# Altium PCB PCB-FPGA.PcbDoc (part 1 of 2)
Units mil, origin at the board's own origin, x right, y up, seen from the top; angles counter-clockwise.
Board outline 6000 x 4000 mil, 2 copper layers (Top Layer, Bottom Layer); 361 components, 243 nets, 5231 pads, 5 vias.
Unrouted connection lines stored in the file: 561.
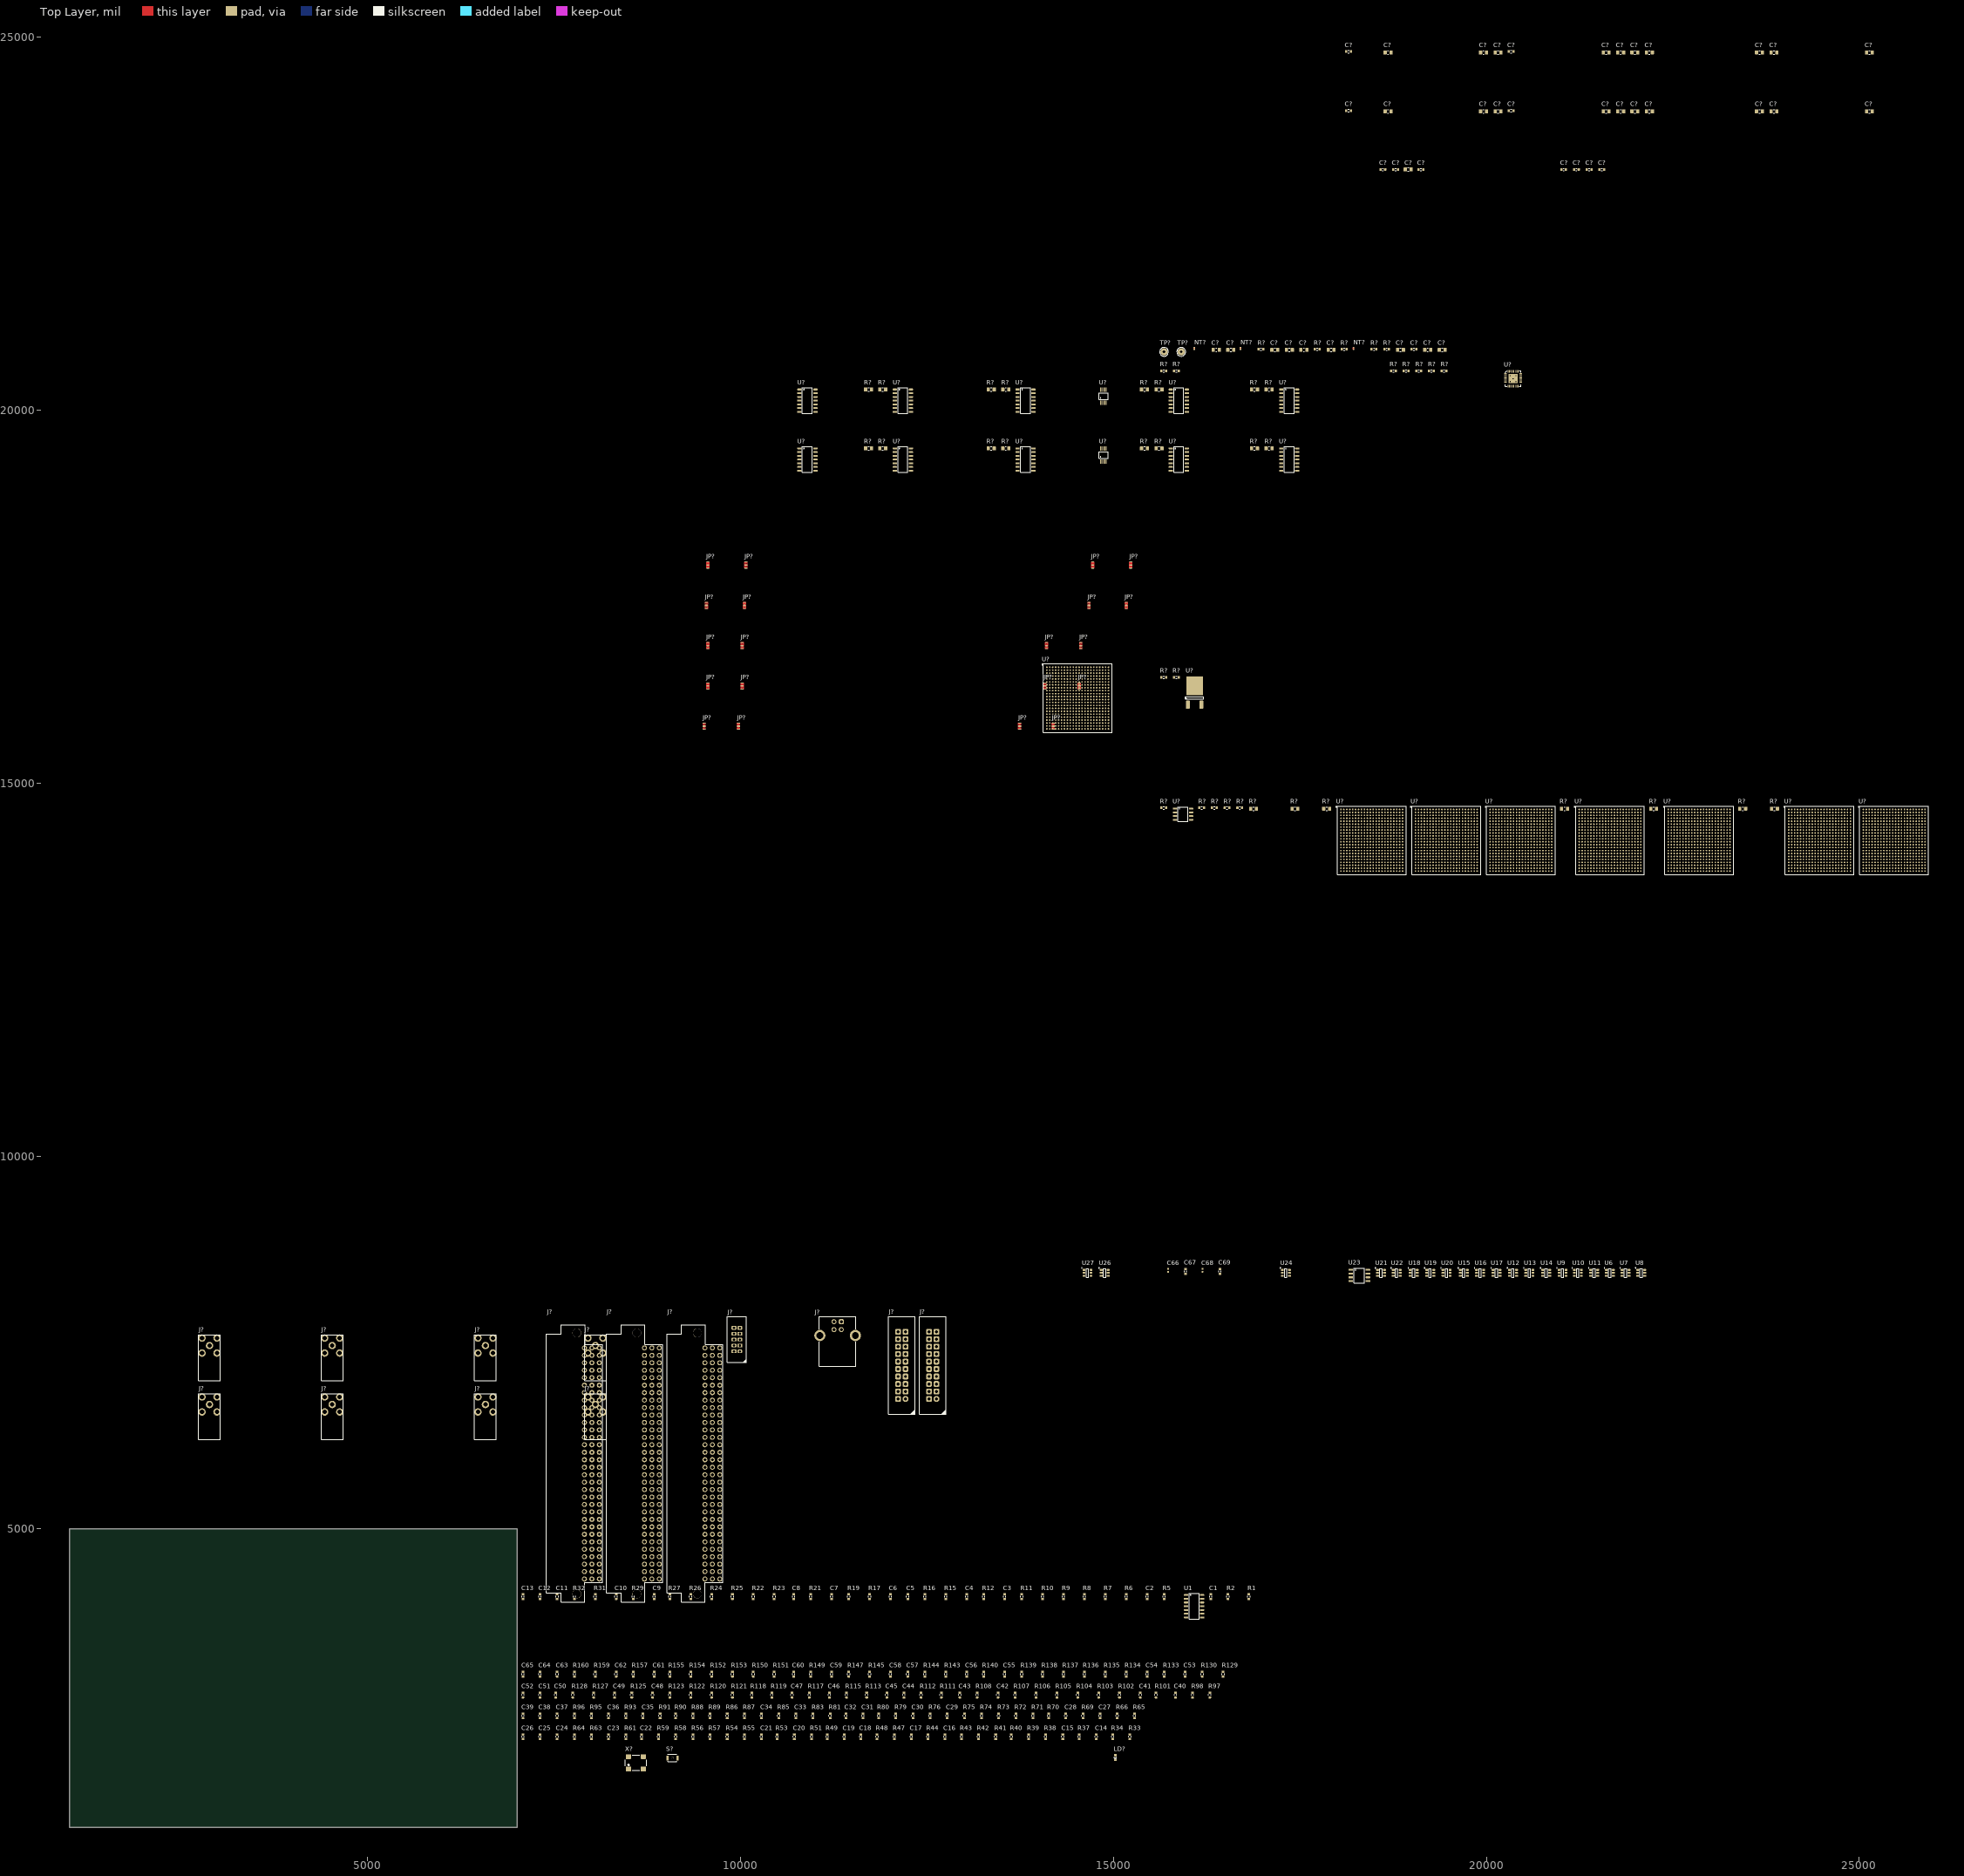
[diagram p0: Top Layer view]
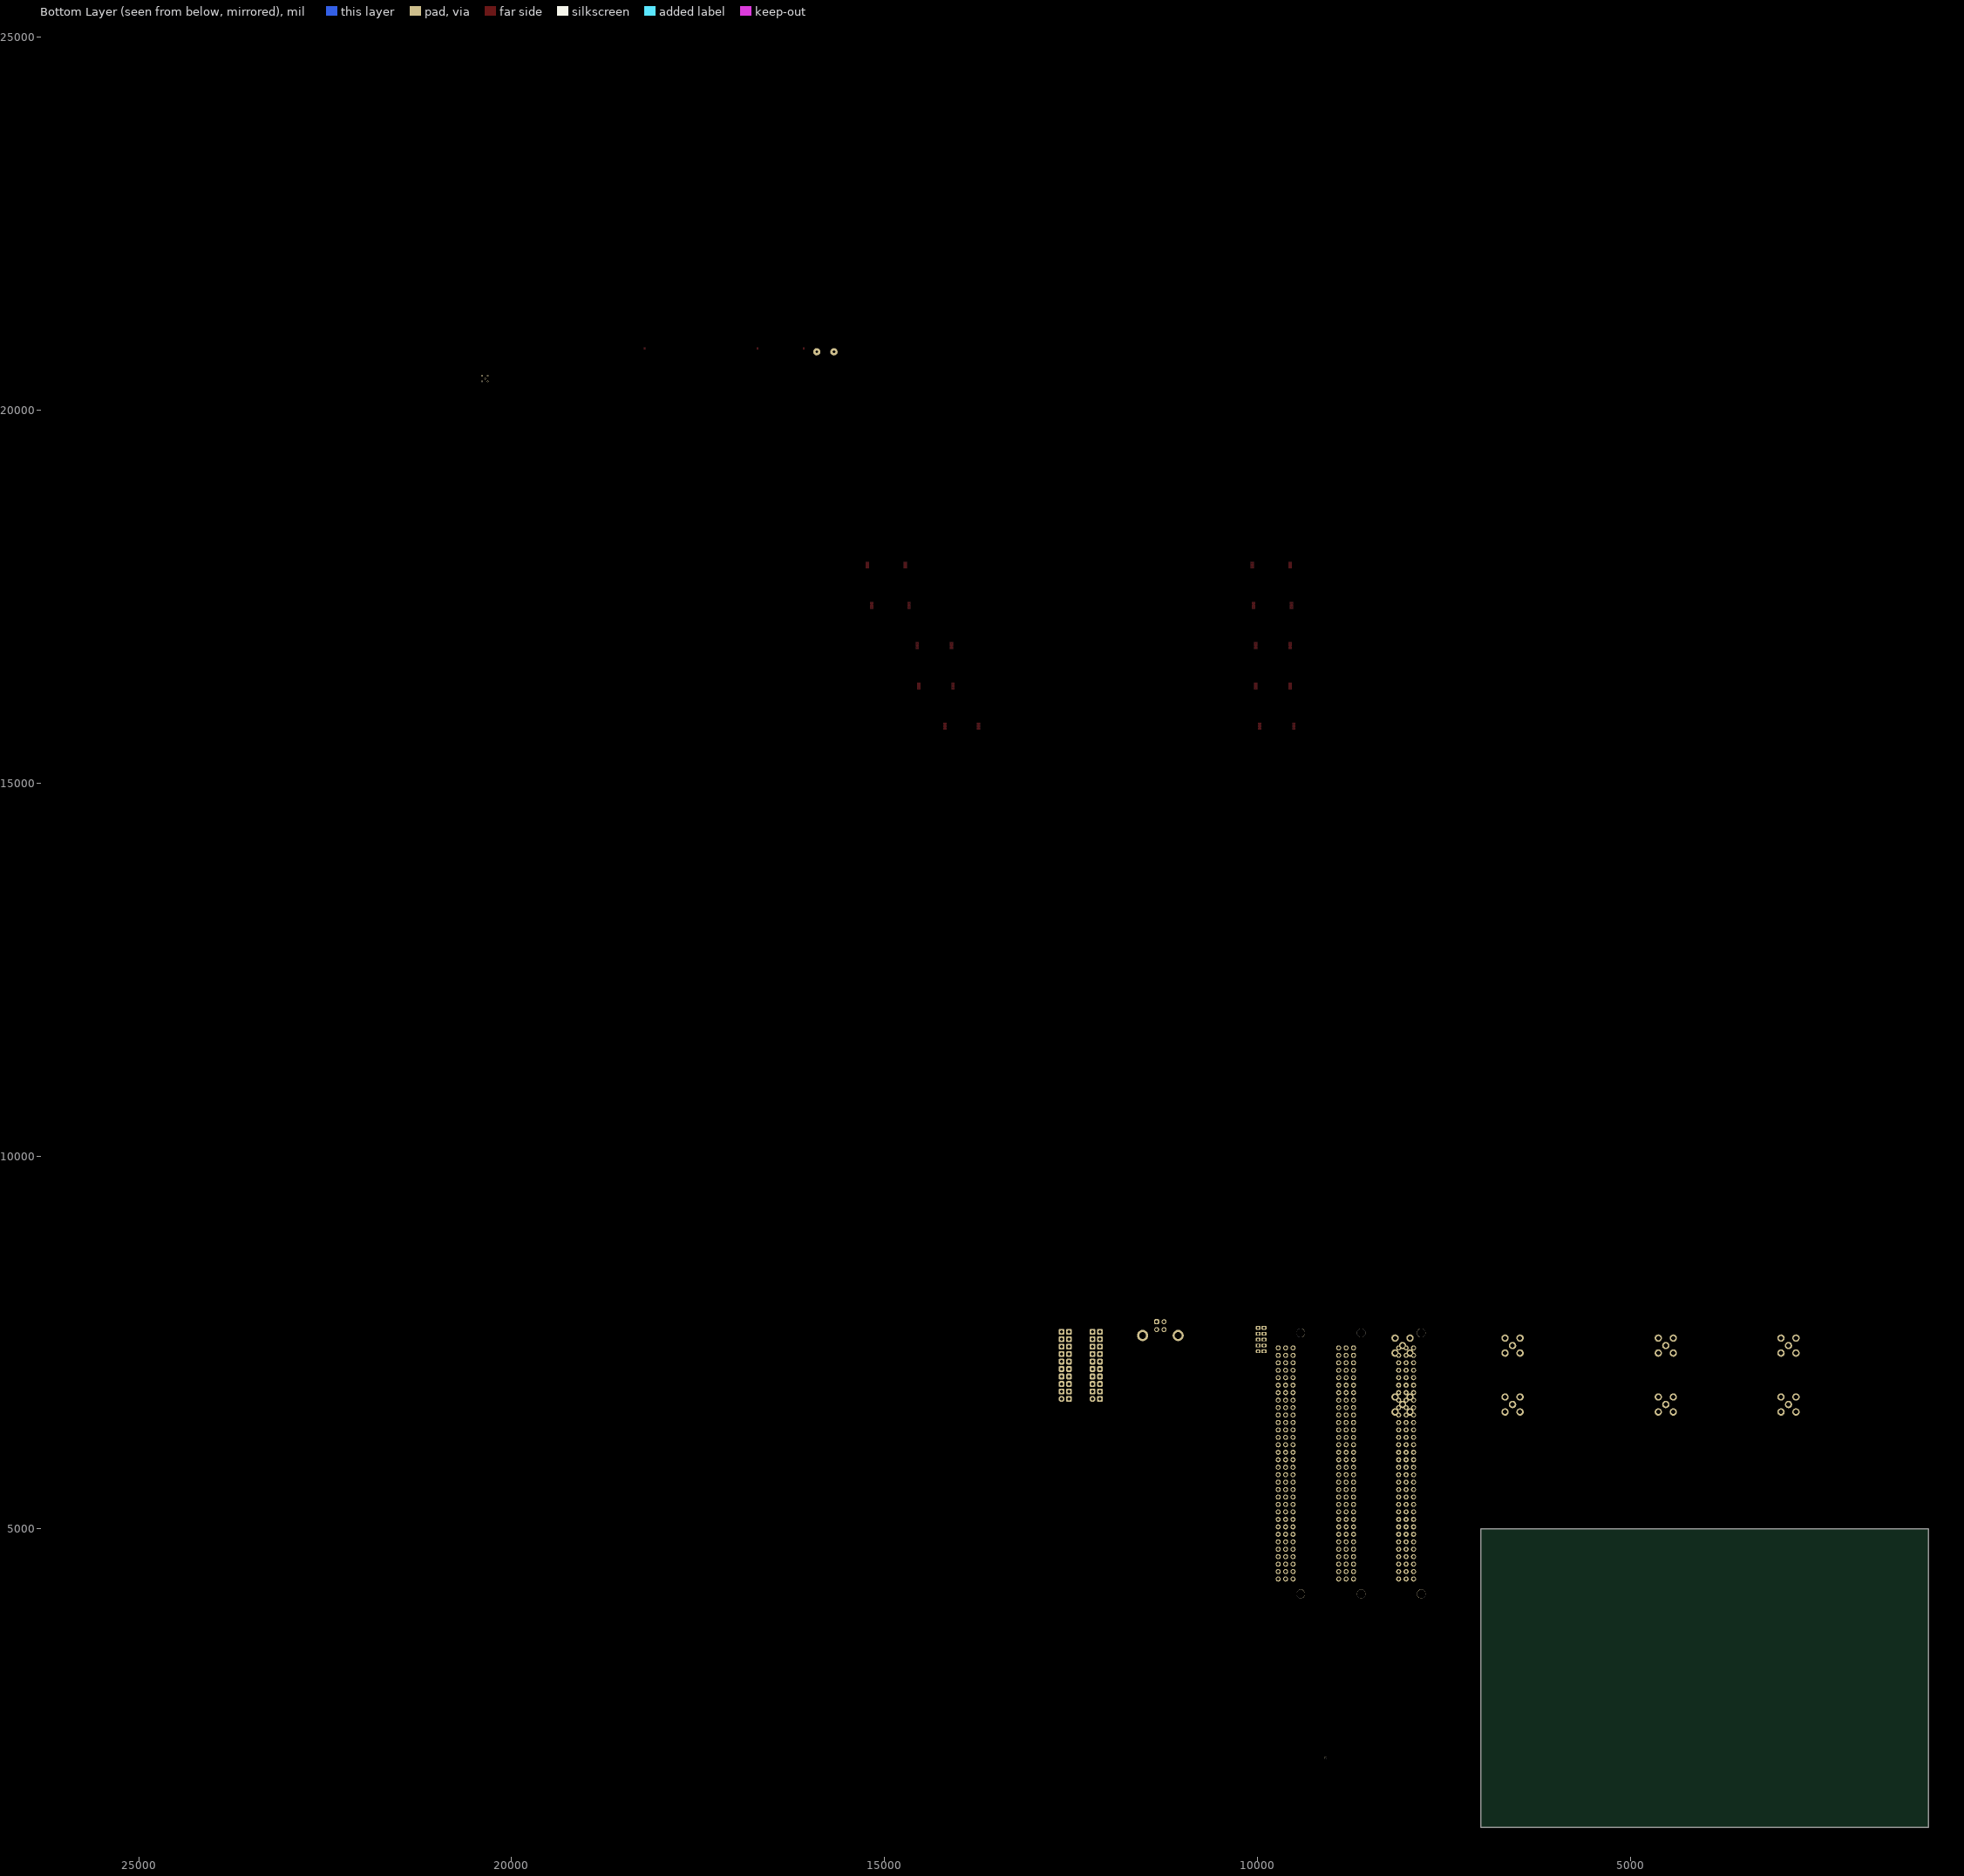
[diagram p1: Bottom Layer view, seen from below]

## Layer stack, top to bottom
Top Solder: solder mask 0.4, Solder Resist, Dk 3.5
Top Layer: signal copper 1.4
Dielectric 1: dielectric 12.6, FR-4, Dk 4.8
Bottom Layer: signal copper 1.4
Bottom Solder: solder mask 0.4, Solder Resist, Dk 3.5

## Board outline
1000,1000 7000,1000 7000,5000 1000,5000

## Design rules (kind name [scope] priority, off if disabled: settings)
Clearance [All] p1: gap=10 ignorepadtopadclearanceinfootprint=FALSE except(0: Arc-Hole Track-Hole SMDPad-Hole THPad-Hole Via-Hole Fill-Hole Poly-Hole Region-Hole Text-Hole)
PolygonConnect [All] p1: connectstyle=Relief reliefconductorwidth=10 reliefentries=4 polygonreliefangle="90 Angle" airgapwidth=10
RoomDefinition FPGA-Connector [InComponentClass('FPGA-Connector')] p1: confinementstyle=ConfineIn formatcopy=TRUE lockcomponents=FALSE outline 7045,1060 17375,1060 17375,8250 7045,8250
RoomDefinition FPGA-8 [InComponentClass('FPGA-8')] p2: confinementstyle=ConfineIn formatcopy=TRUE lockcomponents=FALSE outline 7045,1060 17375,1060 17375,8250 7045,8250
RoomDefinition FPGA-5 [InComponentClass('FPGA-5')] p3: confinementstyle=ConfineIn formatcopy=TRUE lockcomponents=FALSE outline 7045,3770 17025,3770 17025,4260 7045,4260
RoomDefinition FPGA-4 [InComponentClass('FPGA-4')] p4: confinementstyle=ConfineIn formatcopy=TRUE lockcomponents=FALSE outline 7045,3230 16795,3230 16795,3720 7045,3720
RoomDefinition FPGA-3 [InComponentClass('FPGA-3')] p5: confinementstyle=ConfineIn formatcopy=TRUE lockcomponents=FALSE outline 7045,2690 15785,2690 15785,3180 7045,3180
RoomDefinition FPGA-2 [InComponentClass('FPGA-2')] p6: confinementstyle=ConfineIn formatcopy=TRUE lockcomponents=FALSE outline 7045,2150 15725,2150 15725,2640 7045,2640
RoutingVias [All] p1: holewidth=28 width=50 viastyle="Through Hole" minholewidth=28 minwidth=50 maxholewidth=28 maxwidth=50
SolderMaskExpansion [All] p1: expansion=4
Width [All] p1: maxlimit=10 minlimit=10 preferedwidth=10
30 further rules are at their usual default settings.

## Classes and differential pairs
component class FPGA-1: JP?
component class FPGA-2: JP?
component class FPGA-3: JP?
component class FPGA-4: JP?
component class FPGA-5: JP?
component class FPGA-6: C66 C67 C68 C69 C? R? U6 U7 U8 U9 U10 U11 U12 U13 U14 U15 U16 U17 U18 U19 U20 U21 U22 U23 U24 U26 U27 U?
component class FPGA-7: C? J? R? U?
component class FPGA-8: C? J? R? U?
component class FPGA: LD? R? S? U? X?
component class FPGA-Connector: J? R? U?
component class FPGA-Supply: C? NT? R? TP? U?

## Components (designator, comment, footprint, x,y, rotation, side; value= is the part's Value field where it differs from the comment)
C1 "47p" "CAPACITOR 1608 REFLOW" 16305,4095 r90 top
C2 "47p" "CAPACITOR 1608 REFLOW" 15450,4095 r90 top
C3 "2n2" "CAPACITOR 1608 REFLOW" 13540,4095 r90 top
C4 "2n2" "CAPACITOR 1608 REFLOW" 13030,4095 r90 top
C5 "47p" "CAPACITOR 1608 REFLOW" 12240,4095 r90 top
C6 "47p" "CAPACITOR 1608 REFLOW" 12010,4095 r90 top
C7 "47p" "CAPACITOR 1608 REFLOW" 11220,4095 r90 top
C8 "47p" "CAPACITOR 1608 REFLOW" 10710,4095 r90 top
C9 "2n2" "CAPACITOR 1608 REFLOW" 8840,4095 r90 top
C10 "2n2" "CAPACITOR 1608 REFLOW" 8330,4095 r90 top
C11 "47p" "CAPACITOR 1608 REFLOW" 7540,4095 r90 top
C12 "47p" "CAPACITOR 1608 REFLOW" 7310,4095 r90 top
C13 "100n" "CAPACITOR 1608 REFLOW" 7080,4095 r90 top
C14 "47p" "CAPACITOR 1608 REFLOW" 14770,2215 r90 top
C15 "47p" "CAPACITOR 1608 REFLOW" 14320,2215 r90 top
C16 "2n2" "CAPACITOR 1608 REFLOW" 12740,2215 r90 top
C17 "2n2" "CAPACITOR 1608 REFLOW" 12290,2215 r90 top
C18 "47p" "CAPACITOR 1608 REFLOW" 11610,2215 r90 top
C19 "47p" "CAPACITOR 1608 REFLOW" 11390,2215 r90 top
C20 "47p" "CAPACITOR 1608 REFLOW" 10720,2215 r90 top
C21 "47p" "CAPACITOR 1608 REFLOW" 10280,2215 r90 top
C22 "2n2" "CAPACITOR 1608 REFLOW" 8670,2215 r90 top
C23 "2n2" "CAPACITOR 1608 REFLOW" 8230,2215 r90 top
C24 "47p" "CAPACITOR 1608 REFLOW" 7540,2215 r90 top
C25 "47p" "CAPACITOR 1608 REFLOW" 7310,2215 r90 top
C26 "100n" "CAPACITOR 1608 REFLOW" 7080,2215 r90 top
C27 "47p" "CAPACITOR 1608 REFLOW" 14820,2495 r90 top
C28 "47p" "CAPACITOR 1608 REFLOW" 14360,2495 r90 top
C29 "2n2" "CAPACITOR 1608 REFLOW" 12770,2495 r90 top
C30 "2n2" "CAPACITOR 1608 REFLOW" 12310,2495 r90 top
C31 "47p" "CAPACITOR 1608 REFLOW" 11640,2495 r90 top
C32 "47p" "CAPACITOR 1608 REFLOW" 11410,2495 r90 top
C33 "47p" "CAPACITOR 1608 REFLOW" 10740,2495 r90 top
C34 "47p" "CAPACITOR 1608 REFLOW" 10280,2495 r90 top
C35 "2n2" "CAPACITOR 1608 REFLOW" 8690,2495 r90 top
C36 "2n2" "CAPACITOR 1608 REFLOW" 8230,2495 r90 top
C37 "47p" "CAPACITOR 1608 REFLOW" 7540,2495 r90 top
C38 "47p" "CAPACITOR 1608 REFLOW" 7310,2495 r90 top
C39 "100n" "CAPACITOR 1608 REFLOW" 7080,2495 r90 top
C40 "47p" "CAPACITOR 1608 REFLOW" 15830,2775 r90 top
C41 "47p" "CAPACITOR 1608 REFLOW" 15360,2775 r90 top
C42 "2n2" "CAPACITOR 1608 REFLOW" 13450,2775 r90 top
C43 "2n2" "CAPACITOR 1608 REFLOW" 12940,2775 r90 top
C44 "47p" "CAPACITOR 1608 REFLOW" 12190,2775 r90 top
C45 "47p" "CAPACITOR 1608 REFLOW" 11960,2775 r90 top
C46 "47p" "CAPACITOR 1608 REFLOW" 11190,2775 r90 top
C47 "47p" "CAPACITOR 1608 REFLOW" 10690,2775 r90 top
C48 "2n2" "CAPACITOR 1608 REFLOW" 8820,2775 r90 top
C49 "2n2" "CAPACITOR 1608 REFLOW" 8310,2775 r90 top
C50 "47p" "CAPACITOR 1608 REFLOW" 7520,2775 r90 top
C51 "47p" "CAPACITOR 1608 REFLOW" 7310,2775 r90 top
C52 "100n" "CAPACITOR 1608 REFLOW" 7080,2775 r90 top
C53 "47p" "CAPACITOR 1608 REFLOW" 15960,3055 r90 top
C54 "47p" "CAPACITOR 1608 REFLOW" 15450,3055 r90 top
C55 "2n2" "CAPACITOR 1608 REFLOW" 13540,3055 r90 top
C56 "2n2" "CAPACITOR 1608 REFLOW" 13030,3055 r90 top
C57 "47p" "CAPACITOR 1608 REFLOW" 12240,3055 r90 top
C58 "47p" "CAPACITOR 1608 REFLOW" 12010,3055 r90 top
C59 "47p" "CAPACITOR 1608 REFLOW" 11220,3055 r90 top
C60 "47p" "CAPACITOR 1608 REFLOW" 10710,3055 r90 top
C61 "2n2" "CAPACITOR 1608 REFLOW" 8840,3055 r90 top
C62 "2n2" "CAPACITOR 1608 REFLOW" 8330,3055 r90 top
C63 "47p" "CAPACITOR 1608 REFLOW" 7540,3055 r90 top
C64 "47p" "CAPACITOR 1608 REFLOW" 7310,3055 r90 top
C65 "100n" "CAPACITOR 1608 REFLOW" 7080,3055 r90 top
C66 "100nF" "CAPACITOR 1005 REFLOW" 15730.63,8470 r90 top
C67 "10uF" "CAPACITOR 1608 REFLOW" 15965.63,8455 r90 top
C68 "100nF" "CAPACITOR 1005 REFLOW" 16190.63,8470 r90 top
C69 "10uF" "CAPACITOR 1608 REFLOW" 16425.63,8455 r90 top
C? "100n" "CAPACITOR 2012 REFLOW" 21990.63,24800 r0 top
C? "1u" "CAPACITOR 2012 REFLOW" 21800.63,24800 r0 top
C? "100n" "CAPACITOR 1608 REFLOW" 20330.63,24810 r0 top
C? "150p" "CAPACITOR 2012 REFLOW" 18680.63,24800 r0 top
C? "100p" "CAPACITOR 2012 REFLOW" 19960.63,24800 r0 top
C? "150p" "CAPACITOR 2012 REFLOW" 20155.63,24800 r0 top
C? "100p" "CAPACITOR 2012 REFLOW" 21605.63,24800 r0 top
C? "150p" "CAPACITOR 2012 REFLOW" 22185.63,24800 r0 top
C? "100p" "CAPACITOR 2012 REFLOW" 23660.63,24800 r0 top
C? "150p" "CAPACITOR 2012 REFLOW" 23855.63,24800 r0 top
C? "100p" "CAPACITOR 2012 REFLOW" 25135.63,24800 r0 top
C? "100n" "CAPACITOR 1608 REFLOW" 18150.63,24810 r0 top
C? "100n" "CAPACITOR 2012 REFLOW" 21990.63,24010 r0 top
C? "1u" "CAPACITOR 2012 REFLOW" 21800.63,24010 r0 top
C? "100n" "CAPACITOR 1608 REFLOW" 20330.63,24020 r0 top
C? "150p" "CAPACITOR 2012 REFLOW" 18680.63,24010 r0 top
C? "100p" "CAPACITOR 2012 REFLOW" 19960.63,24010 r0 top
C? "150p" "CAPACITOR 2012 REFLOW" 20155.63,24010 r0 top
C? "100p" "CAPACITOR 2012 REFLOW" 21605.63,24010 r0 top
C? "150p" "CAPACITOR 2012 REFLOW" 22185.63,24010 r0 top
C? "100p" "CAPACITOR 2012 REFLOW" 23660.63,24010 r0 top
C? "150p" "CAPACITOR 2012 REFLOW" 23855.63,24010 r0 top
C? "100p" "CAPACITOR 2012 REFLOW" 25135.63,24010 r0 top
C? "100n" "CAPACITOR 1608 REFLOW" 18150.63,24020 r0 top
C? "0.1uF" "CAPACITOR 1608 REFLOW" 18610.63,23230 r0 top
C? "10uF" "CAPACITOR 1608 REFLOW" 21035.63,23230 r0 top
C? "1uF" "CAPACITOR 1608 REFLOW" 18780.63,23230 r0 top
C? "10uF" "CAPACITOR 1608 REFLOW" 21205.63,23230 r0 top
C? "10uF" "CAPACITOR 1608 REFLOW" 21545.63,23230 r0 top
C? "100n" "CAPACITOR 1608 REFLOW" 19120.63,23230 r0 top
C? "10u" "CAPACITOR 2012 REFLOW" 18950.63,23230 r0 top
C? "10uF" "CAPACITOR 1608 REFLOW" 21375.63,23230 r0 top
C? "3u3" "CAPACITOR 2012 REFLOW" 17917.28,20810 r0 top
C? "1u" "CAPACITOR 2012 REFLOW" 17162.28,20810 r0 top
C? "100n" "CAPACITOR 1608 REFLOW" 19027.28,20820 r0 top
C? "3u3" "CAPACITOR 2012 REFLOW" 18847.28,20810 r0 top
C? "10u" "CAPACITOR 2012 REFLOW" 16377.28,20810 r0 top
C? "100n" "CAPACITOR 2012 REFLOW" 16572.28,20810 r0 top
C? "10u" "CAPACITOR 2012 REFLOW" 17357.28,20810 r0 top
C? "100n" "CAPACITOR 2012 REFLOW" 17552.28,20810 r0 top
C? "10u" "CAPACITOR 2012 REFLOW" 19212.28,20810 r0 top
C? "100n" "CAPACITOR 2012 REFLOW" 19407.28,20810 r0 top
J? "CONSMA002-G" "SMA TH Right Angle Linx CONSMA002" 2877.72,7460 r90 top
J? "CONSMA002-G" "SMA TH Right Angle Linx CONSMA002" 4522.72,7460 r90 top
J? "CONSMA002-G" "SMA TH Right Angle Linx CONSMA002" 6577.72,7460 r90 top
J? "CONSMA002-G" "SMA TH Right Angle Linx CONSMA002" 8052.72,7460 r90 top
J? "CONSMA002-G" "SMA TH Right Angle Linx CONSMA002" 2877.72,6670 r90 top
J? "CONSMA002-G" "SMA TH Right Angle Linx CONSMA002" 4522.72,6670 r90 top
J? "CONSMA002-G" "SMA TH Right Angle Linx CONSMA002" 6577.72,6670 r90 top
J? "CONSMA002-G" "SMA TH Right Angle Linx CONSMA002" 8052.72,6670 r90 top
J? "61202021621" "FlatCable2x10 2.54MM Straight TH" 12575,7195 r90 top
J? "61202021621" "FlatCable2x10 2.54MM Straight TH" 12160,7195 r90 top
J? "09031966921" "DIN41612 MALE 3X32 ABC R90" 7405,5880 r90 top
J? "09031966921" "DIN41612 MALE 3X32 ABC R90" 9020,5880 r90 top
J? "09031966921" "DIN41612 MALE 3X32 ABC R90" 8210,5880 r90 top
J? "USB-B-TH-AMPHENOL UE27-BC54-130" "USB-B TH AMPHENOL UE27-BC54-130" 11300,7190 r0 top
J? "FlatCable2x5" "FlatCable2x5 2MM Straight TH FCI 98414-G06-10ULF" 9950,7540 r90 top
JP? "{Value}" "JUMPER3 SMD 1608" 10070.32,17925.16 r90 top
JP? "{Value}" "JUMPER3 SMD 1608" 15230.32,17925.16 r90 top
JP? "{Value}" "JUMPER3 SMD 1608" 14720.32,17925.16 r90 top
JP? "{Value}" "JUMPER3 SMD 1608" 9560.32,17925.16 r90 top
JP? "{Value}" "JUMPER3 SMD 1608" 10050.32,17385.16 r90 top
JP? "{Value}" "JUMPER3 SMD 1608" 9540.32,17385.16 r90 top
JP? "{Value}" "JUMPER3 SMD 1608" 14670.32,17385.16 r90 top
JP? "{Value}" "JUMPER3 SMD 1608" 15170.32,17385.16 r90 top
JP? "{Value}" "JUMPER3 SMD 1608" 10020.32,16845.16 r90 top
JP? "{Value}" "JUMPER3 SMD 1608" 14560.32,16845.16 r90 top
JP? "{Value}" "JUMPER3 SMD 1608" 9560.32,16845.16 r90 top
JP? "{Value}" "JUMPER3 SMD 1608" 14100.32,16845.16 r90 top
JP? "{Value}" "JUMPER3 SMD 1608" 10020.32,16305.16 r90 top
JP? "{Value}" "JUMPER3 SMD 1608" 14540.32,16305.16 r90 top
JP? "{Value}" "JUMPER3 SMD 1608" 14080.32,16305.16 r90 top
JP? "{Value}" "JUMPER3 SMD 1608" 9560.32,16305.16 r90 top
JP? "{Value}" "JUMPER3 SMD 1608" 13740.32,15765.16 r90 top
JP? "{Value}" "JUMPER3 SMD 1608" 9510.32,15765.16 r90 top
JP? "{Value}" "JUMPER3 SMD 1608" 9970.32,15765.16 r90 top
JP? "{Value}" "JUMPER3 SMD 1608" 14190.32,15765.16 r90 top
LD? "*" "LED 1608 REFLOW" 15025,1935 r90 top
NT? "Net Tie" "NET TIE 1005" 16082.28,20830 r90 top net-tie
NT? "Net Tie" "NET TIE 1005" 16702.28,20830 r90 top net-tie
NT? "Net Tie" "NET TIE 1005" 18217.28,20830 r90 top net-tie
R1 "18k" "RESISTOR 1608 REFLOW" 16815,4095 r90 top
R2 "18k" "RESISTOR 1608 REFLOW" 16535,4095 r90 top
R5 "8k2" "RESISTOR 1608 REFLOW" 15680,4095 r90 top
R6 "8k2" "RESISTOR 1608 REFLOW" 15170,4095 r90 top
R7 "82R" "RESISTOR 1608 REFLOW" 14890,4095 r90 top
R8 "82R" "RESISTOR 1608 REFLOW" 14610,4095 r90 top
R9 "8k2" "RESISTOR 1608 REFLOW" 14330,4095 r90 top
R10 "8k2" "RESISTOR 1608 REFLOW" 14050,4095 r90 top
R11 "10k" "RESISTOR 1608 REFLOW" 13770,4095 r90 top
R12 "10k" "RESISTOR 1608 REFLOW" 13260,4095 r90 top
R15 "18k" "RESISTOR 1608 REFLOW" 12750,4095 r90 top
R16 "18k" "RESISTOR 1608 REFLOW" 12470,4095 r90 top
R17 "18k" "RESISTOR 1608 REFLOW" 11730,4095 r90 top
R19 "18k" "RESISTOR 1608 REFLOW" 11450,4095 r90 top
R21 "8k2" "RESISTOR 1608 REFLOW" 10940,4095 r90 top
R22 "8k2" "RESISTOR 1608 REFLOW" 10170,4095 r90 top
R23 "82R" "RESISTOR 1608 REFLOW" 10450,4095 r90 top
R24 "82R" "RESISTOR 1608 REFLOW" 9610,4095 r90 top
R25 "8k2" "RESISTOR 1608 REFLOW" 9890,4095 r90 top
R26 "8k2" "RESISTOR 1608 REFLOW" 9330,4095 r90 top
R27 "10k" "RESISTOR 1608 REFLOW" 9050,4095 r90 top
R29 "10k" "RESISTOR 1608 REFLOW" 8560,4095 r90 top
R31 "18k" "RESISTOR 1608 REFLOW" 8050,4095 r90 top
R32 "18k" "RESISTOR 1608 REFLOW" 7770,4095 r90 top
R33 "18k" "RESISTOR 1608 REFLOW" 15220,2215 r90 top
R34 "18k" "RESISTOR 1608 REFLOW" 14990,2215 r90 top
R37 "8k2" "RESISTOR 1608 REFLOW" 14540,2215 r90 top
R38 "8k2" "RESISTOR 1608 REFLOW" 14090,2215 r90 top
R39 "82R" "RESISTOR 1608 REFLOW" 13860,2215 r90 top
R40 "82R" "RESISTOR 1608 REFLOW" 13630,2215 r90 top
R41 "8k2" "RESISTOR 1608 REFLOW" 13420,2215 r90 top
R42 "8k2" "RESISTOR 1608 REFLOW" 13190,2215 r90 top
R43 "10k" "RESISTOR 1608 REFLOW" 12960,2215 r90 top
R44 "10k" "RESISTOR 1608 REFLOW" 12510,2215 r90 top
R47 "18k" "RESISTOR 1608 REFLOW" 12060,2215 r90 top
R48 "18k" "RESISTOR 1608 REFLOW" 11830,2215 r90 top
R49 "18k" "RESISTOR 1608 REFLOW" 11160,2215 r90 top
R51 "18k" "RESISTOR 1608 REFLOW" 10950,2215 r90 top
R53 "8k2" "RESISTOR 1608 REFLOW" 10490,2215 r90 top
R54 "8k2" "RESISTOR 1608 REFLOW" 9820,2215 r90 top
R55 "82R" "RESISTOR 1608 REFLOW" 10050,2215 r90 top
R56 "82R" "RESISTOR 1608 REFLOW" 9360,2215 r90 top
R57 "8k2" "RESISTOR 1608 REFLOW" 9590,2215 r90 top
R58 "8k2" "RESISTOR 1608 REFLOW" 9130,2215 r90 top
R59 "10k" "RESISTOR 1608 REFLOW" 8900,2215 r90 top
R61 "10k" "RESISTOR 1608 REFLOW" 8460,2215 r90 top
R63 "18k" "RESISTOR 1608 REFLOW" 8000,2215 r90 top
R64 "18k" "RESISTOR 1608 REFLOW" 7770,2215 r90 top
R65 "18k" "RESISTOR 1608 REFLOW" 15280,2495 r90 top
R66 "18k" "RESISTOR 1608 REFLOW" 15050,2495 r90 top
R69 "8k2" "RESISTOR 1608 REFLOW" 14590,2495 r90 top
R70 "8k2" "RESISTOR 1608 REFLOW" 14130,2495 r90 top
R71 "82R" "RESISTOR 1608 REFLOW" 13920,2495 r90 top
R72 "82R" "RESISTOR 1608 REFLOW" 13690,2495 r90 top
R73 "8k2" "RESISTOR 1608 REFLOW" 13460,2495 r90 top
R74 "8k2" "RESISTOR 1608 REFLOW" 13230,2495 r90 top
R75 "10k" "RESISTOR 1608 REFLOW" 13000,2495 r90 top
R76 "10k" "RESISTOR 1608 REFLOW" 12540,2495 r90 top
R79 "18k" "RESISTOR 1608 REFLOW" 12080,2495 r90 top
R80 "18k" "RESISTOR 1608 REFLOW" 11850,2495 r90 top
R81 "18k" "RESISTOR 1608 REFLOW" 11200,2495 r90 top
R83 "18k" "RESISTOR 1608 REFLOW" 10970,2495 r90 top
R85 "8k2" "RESISTOR 1608 REFLOW" 10510,2495 r90 top
R86 "8k2" "RESISTOR 1608 REFLOW" 9820,2495 r90 top
R87 "82R" "RESISTOR 1608 REFLOW" 10050,2495 r90 top
R88 "82R" "RESISTOR 1608 REFLOW" 9360,2495 r90 top
R89 "8k2" "RESISTOR 1608 REFLOW" 9590,2495 r90 top
R90 "8k2" "RESISTOR 1608 REFLOW" 9130,2495 r90 top
R91 "10k" "RESISTOR 1608 REFLOW" 8920,2495 r90 top
R93 "10k" "RESISTOR 1608 REFLOW" 8460,2495 r90 top
R95 "18k" "RESISTOR 1608 REFLOW" 8000,2495 r90 top
R96 "18k" "RESISTOR 1608 REFLOW" 7770,2495 r90 top
R97 "18k" "RESISTOR 1608 REFLOW" 16290,2775 r90 top
R98 "18k" "RESISTOR 1608 REFLOW" 16060,2775 r90 top
R101 "8k2" "RESISTOR 1608 REFLOW" 15570,2775 r90 top
R102 "8k2" "RESISTOR 1608 REFLOW" 15080,2775 r90 top
R103 "82R" "RESISTOR 1608 REFLOW" 14800,2775 r90 top
R104 "82R" "RESISTOR 1608 REFLOW" 14520,2775 r90 top
R105 "8k2" "RESISTOR 1608 REFLOW" 14240,2775 r90 top
R106 "8k2" "RESISTOR 1608 REFLOW" 13960,2775 r90 top
R107 "10k" "RESISTOR 1608 REFLOW" 13680,2775 r90 top
R108 "10k" "RESISTOR 1608 REFLOW" 13170,2775 r90 top
R111 "18k" "RESISTOR 1608 REFLOW" 12690,2775 r90 top
R112 "18k" "RESISTOR 1608 REFLOW" 12420,2775 r90 top
R113 "18k" "RESISTOR 1608 REFLOW" 11690,2775 r90 top
R115 "18k" "RESISTOR 1608 REFLOW" 11420,2775 r90 top
R117 "8k2" "RESISTOR 1608 REFLOW" 10920,2775 r90 top
R118 "8k2" "RESISTOR 1608 REFLOW" 10150,2775 r90 top
R119 "82R" "RESISTOR 1608 REFLOW" 10420,2775 r90 top
R120 "82R" "RESISTOR 1608 REFLOW" 9610,2775 r90 top
R121 "8k2" "RESISTOR 1608 REFLOW" 9890,2775 r90 top
R122 "8k2" "RESISTOR 1608 REFLOW" 9330,2775 r90 top
R123 "10k" "RESISTOR 1608 REFLOW" 9050,2775 r90 top
R125 "10k" "RESISTOR 1608 REFLOW" 8540,2775 r90 top
R127 "18k" "RESISTOR 1608 REFLOW" 8030,2775 r90 top
R128 "18k" "RESISTOR 1608 REFLOW" 7750,2775 r90 top
R129 "18k" "RESISTOR 1608 REFLOW" 16470,3055 r90 top